# Altium PCB BCS1_REV2.2.PcbDoc (part 1 of 4) (continued)
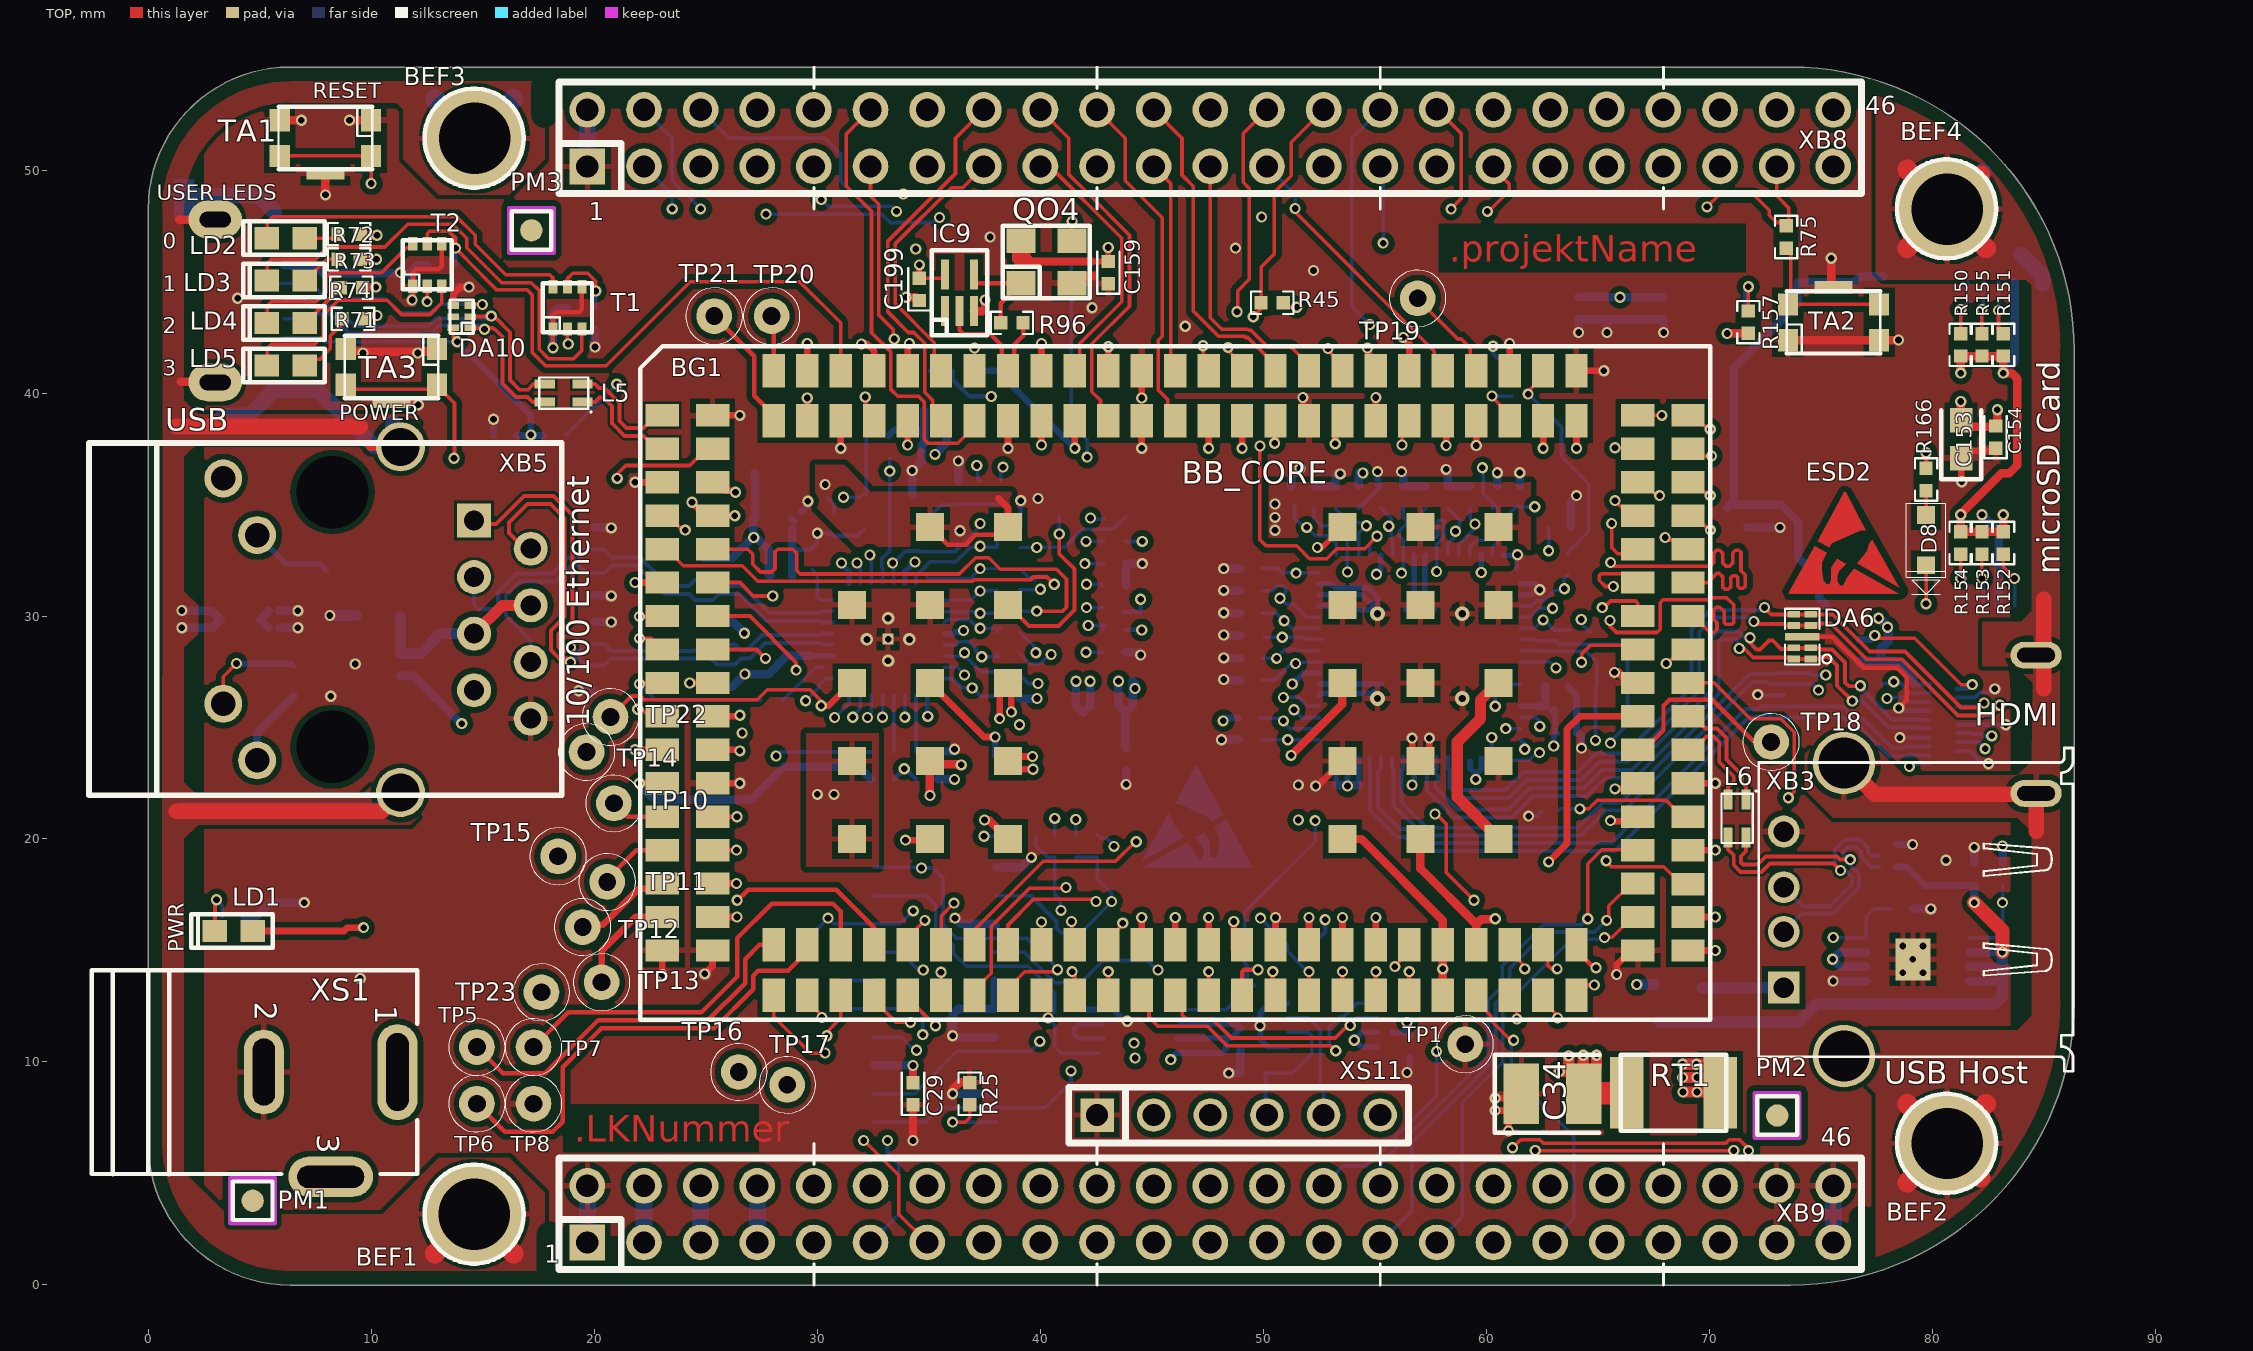
[diagram p0: TOP view]
## Components (designator, comment, footprint, x,y, rotation, side; value= is the part's Value field where it differs from the comment)
BEF1 "BEF_3.2_4.45" BEF_3.2_4.45#1 14.605,3.175 r0 top locked
BEF2 "BEF_3.2_4.45" BEF_3.2_4.45#2 80.645,6.35 r0 top locked
BEF3 "BEF_3.2_4.45" BEF_3.2_4.45#2 14.605,51.435 r0 top locked
BEF4 "BEF_3.2_4.45" BEF_3.2_4.45#2 80.645,48.26 r0 top locked
BG1 "BG_BCM" BG_BCM 46.05,27 r0 top locked
C27 "0.1uF/16V_02" CC1005-0402 49,11 r270 bottom
C29 "0.1uF/16V_02" CC1005-0402 34.29,8.572 r90 top
C30 "0.1uF/16V_02" CC1005-0402 29.55,15.125 r90 bottom
C34 "100uF/6.3V_1210" CC3225-1210 62.975,8.575 r0 top
C35 "0.1uF/16V_02" CC1005-0402 81.887,18.415 r90 bottom
C36 "0.1uF/16V_02" CC1005-0402 15.975,38.1 r180 bottom
C131 "0.1uF/16V_02" CC1005-0402 28.325,32.859 r180 bottom
C132 "0.1uF/16V_02" CC1005-0402 28.325,31.809 r180 bottom
C133 "10uF/6V3_03" CC1608-0603 28.15,34.375 r180 bottom
C134 "1uF/10V_02" CC1005-0402 35.3,38.225 r0 bottom
C135 "0.1uF/16V_02" CC1005-0402 30.747,34.092 r270 bottom
C136 "470pF_02" CC1005-0402 35.3,39.225 r0 bottom
C137 "15pF/50V_02" CC1005-0402 20.025,33.475 r270 bottom
C138 "15pF/50V_02" CC1005-0402 20.025,31.425 r90 bottom
C139 "15pF/50V_02" CC1005-0402 20.025,29.25 r270 bottom
C140 "15pF/50V_02" CC1005-0402 20.025,27.275 r90 bottom
C141 "22nF" CC2012-0805 10.265,30.03 r0 bottom
C142 "30pF/50V_02" CC1005-0402 32.7,38.1 r0 bottom
C143 "30pF/50V_02" CC1005-0402 36.319,35.558 r90 bottom
C144 "2.2uF/6V3_02" CC1005-0402 54.285,35.331 r90 bottom
C145 "0.1uF/16V_02" CC1005-0402 43.85,23.575 r270 bottom
C146 "2.2uF/6V3_02" CC1005-0402 64.135,43.815 r90 bottom
C147 "0.1uF/16V_02" CC1005-0402 63.425,25.75 r0 bottom
C148 "2.2uF/6V3_02" CC1005-0402 65.405,43.815 r90 bottom
C149 "0.1uF/16V_02" CC1005-0402 67.945,43.815 r270 bottom
C150 "0.1uF/16V_02" CC1005-0402 63.15,26.85 r0 bottom
C151 "2.2uF/6V3_02" CC1005-0402 63.675,24.75 r0 bottom
C153 "10uF/6V3_03" CC1608-0603 81.3,37.925 r90 top
C154 "0.1uF/16V_02" CC1005-0402 82.85,38.025 r90 top
C155 "0.1uF/16V_02" CC1005-0402 56.575,10.7 r270 bottom
C156 "47pF/16V_02" CC1005-0402 49.46,32.131 r180 bottom
C157 "47pF/16V_02" CC1005-0402 51.26,35.331 r90 bottom
C159 "0.1uF/16V_02" CC1005-0402 43.05,45.4 r90 top
C160 "47pF/16V_02" CC1005-0402 52.26,35.331 r90 bottom
C161 "47pF/16V_02" CC1005-0402 53.26,35.331 r90 bottom
C162 "47pF/16V_02" CC1005-0402 55.285,35.331 r90 bottom
C163 "47pF/16V_02" CC1005-0402 56.285,35.331 r90 bottom
C164 "47pF/16V_02" CC1005-0402 49.46,27.131 r180 bottom
C165 "47pF/16V_02" CC1005-0402 49.46,28.106 r180 bottom
C166 "47pF/16V_02" CC1005-0402 49.46,29.131 r180 bottom
C167 "47pF/16V_02" CC1005-0402 49.46,30.131 r180 bottom
C168 "47pF/16V_02" CC1005-0402 49.46,31.131 r180 bottom
C169 "47pF/16V_02" CC1005-0402 57.285,35.331 r90 bottom
C170 "47pF/16V_02" CC1005-0402 58.285,35.331 r90 bottom
C171 "47pF/16V_02" CC1005-0402 60.51,35.331 r90 bottom
C172 "47pF/16V_02" CC1005-0402 59.285,35.331 r90 bottom
C173 "47pF/16V_02" CC1005-0402 61.51,35.331 r90 bottom
C199 "0.1uF/16V_02" CC1005-0402 34.575,44.65 r90 top
C200 "2.2uF/6V3_02" CC1005-0402 37.975,23.225 r90 bottom
C201 "2.2uF/6V3_02" CC1005-0402 40.85,34.925 r270 bottom
D8 "RB751V40" SOD323 79.725,33.4 r270 top
DA6 "TPD4EUSB30_NP" TPD4EUSB30 74.175,29.075 r90 top
DA7 "TPD4EUSB30_NP" TPD4EUSB30 73.5,26.45 r90 bottom
DA9 "TPD4S012" SON6 78,19.25 r90 bottom
DA10 "TPD4S012" SON6 14.05,43.425 r90 top
ESD1 "ESD" ESD_G 49.475,18.75 r180 bottom
ESD2 "ESD" ESD_G 73.6,31.025 r0 top
IC6 "74LVC1G74DP" "TSSOP8 - 3x3" 44.65,11.375 r90 bottom
IC8 "TPS2051B" DGN-MSOP8+1 79.136,14.605 r90 bottom locked
IC9 "74LVC1G06DCK" SOT353 36.375,44.5 r0 top
IC11 "TDA19988" HVQFN64+EP_N 57.025,28.2 r270 bottom locked
IC14 "LAN8710A" QFN32+EP 33.174,28.965 r270 bottom
IC15 "74LVC2G241DP" "TSSOP8 - 3x3" 53.105,11.656 r90 bottom
L3 "150L" CR2012-0805 42.87,25.675 r180 bottom
L4 "150L" CR2012-0805 28.2,36.7 r0 bottom
L5 "WE-CNS-W" "WE-CNS_W - 0805" 18.625,40 r180 top
L6 "WE-CNS-W" "WE-CNS_W - 0805" 71.25,20.925 r270 top
L7 "150L" CR2012-0805 69.775,12.525 r90 bottom
L8 "150L" CR2012-0805 67.8,12.5 r270 bottom
LD1 "LEDgn_b_03" CD1608-0603 3.822,15.878 r0 top
LD2 "LEDgn_b_03" CD1608-0603 6.15,46.95 r0 top
LD3 "LEDgn_b_03" CD1608-0603 6.15,45.046 r0 top
LD4 "LEDgn_b_03" CD1608-0603 6.15,43.141 r0 top
LD5 "LEDgn_b_03" CD1608-0603 6.15,41.236 r0 top
PM1 "PMR" PASSER_RUND 4.675,3.775 r0 top
PM2 "PMR" PASSER_RUND 73.05,7.6 r0 top
PM3 "PMR" PASSER_RUND 17.175,47.3 r0 top
PM4 "PMR" PASSER_RUND 17.175,47.3 r180 bottom
PM5 "PMR" PASSER_RUND 73.05,7.6 r180 bottom
PM6 "PMR" PASSER_RUND 4.675,3.775 r180 bottom
Q3 "25.0006MHz_CM3225" "QUARZ CM3225" 33.243,34.665 r180 bottom
QO4 "24.576MHz-V96" "QUARZ KXO-V96" 40.275,45.875 r0 top
R12 "820R_02" CR1005-0402 3.81,16.51 r0 bottom
R19 "0R_02" CR1005-0402 41.593,19.685 r270 bottom
R20 "0R_02" CR1005-0402 42.545,19.685 r90 bottom
R21 "33R_02" CR1005-0402 49.1,13.425 r0 bottom
R23 "4k75_02" CR1005-0402 53.075,15.625 r0 bottom
R24 "4k75_02" CR1005-0402 51.2,15.625 r180 bottom
R25 "4k75_02" CR1005-0402 36.83,8.572 r90 top
R45 "22R_02" CR1005-0402 50.4,44.05 r180 top
R46 "0R_02" CR1005-0402 61.05,40.525 r90 bottom
R47 "0R_02" CR1005-0402 64.15,29.275 r180 bottom
R48 "0R_02" CR1005-0402 63.65,32.35 r270 bottom
R49 "0R_02" CR1005-0402 62.975,21.225 r0 bottom
R50 "0R_02" CR1005-0402 39.116,20.193 r180 bottom
R51 "0R_02" CR1005-0402 40.64,19.685 r90 bottom
R52 "10k_02" CR1005-0402 83.157,18.415 r90 bottom
R53 "10k_02" CR1005-0402 78.665,16.868 r180 bottom
R71 "820R_02" CR1005-0402 9.175,43.325 r180 top
R72 "820R_02" CR1005-0402 9,47.125 r180 top
R73 "820R_02" CR1005-0402 9,46 r180 top
R74 "820R_02" CR1005-0402 9.1,44.725 r180 top
R75 "100R_02" CR1005-0402 73.45,47 r270 top
R76 "100k_02" CR1005-0402 18.793,43.305 r270 bottom
R77 "100k_02" CR1005-0402 20.025,43.325 r90 bottom
R78 "100k_02" CR1005-0402 12.5,45.23 r270 bottom
R79 "100k_02" CR1005-0402 13.77,45.23 r90 bottom
R96 "0R_02" CR1005-0402 38.725,43.15 r180 top
R112 "1k5_02" CR1005-0402 43.3,29.375 r0 bottom
R113 "1k5_02" CR1005-0402 34.925,22.675 r180 bottom
R114 "1k5_02" CR1005-0402 43.3,30.375 r0 bottom
R115 "10k_02" CR1005-0402 43.325,28.375 r0 bottom
R116 "10k_02" CR1005-0402 43.35,32.35 r0 bottom
R117 "10k_02" CR1005-0402 43.325,31.35 r0 bottom
R118 "10k_02" CR1005-0402 38.573,34.03 r0 bottom
R119 "1k5_02" CR1005-0402 38.573,26.41 r0 bottom
R120 "49R9_02" CR1005-0402 24.9,32.125 r270 bottom
R121 "49R9_02" CR1005-0402 24.9,30.225 r90 bottom
R122 "49R9_02" CR1005-0402 25.9,29.225 r270 bottom
R123 "49R9_02" CR1005-0402 25.9,27.325 r90 bottom
R124 "10R_02" CR1005-0402 38.573,33.077 r180 bottom
R125 "100R_02" CR1005-0402 38.573,32.125 r180 bottom
R126 "100R_02" CR1005-0402 38.573,31.172 r180 bottom
R127 "100R_02" CR1005-0402 38.573,30.22 r180 bottom
R128 "100R_02" CR1005-0402 38.573,29.267 r180 bottom
R129 "100R_02" CR1005-0402 27.95,26.225 r0 bottom
R130 "1k2_03_1%" CR1608-0603 7.425,27.7 r0 bottom
R131 "100R_02" CR1005-0402 43.35,33.35 r180 bottom
R132 "1k2_03_1%" CR1608-0603 8.825,32.075 r0 bottom
R133 "100R_02" CR1005-0402 38.573,28.315 r180 bottom
R134 "100R_02" CR1005-0402 32.925,23.911 r0 bottom
R135 "10k_02" CR1005-0402 7.025,26.4 r0 bottom
R136 "0.1R" CR3216-1206 4.2,29.85 r180 bottom
R137 "0R_02" CR1005-0402 11.3,27.825 r270 bottom
R138 "100R_02" CR1005-0402 32.925,22.675 r0 bottom
R139 "100R_02" CR1005-0402 38.573,27.362 r180 bottom
R140 "0R_02" CR1005-0402 43.35,34.475 r180 bottom
R141 "1M_02" CR1005-0402 38.224,35.558 r90 bottom
R142 "0R_02" CR1005-0402 37.271,35.558 r270 bottom
R143 "10R_02" CR1005-0402 32.75,37.075 r180 bottom
R144 "12k1_02" CR1005-0402 29.775,32.575 r90 bottom
R145 "10k_02" CR1005-0402 34.926,23.924 r180 bottom
R146 "10k_02" CR1005-0402 77.7,27.525 r90 bottom
R147 "10k_02" CR1005-0402 76.7,28.45 r90 bottom
R148 "10k_02" CR1005-0402 63.3,33.975 r0 bottom
R149 "0R_02" CR1005-0402 49.375,24.475 r180 bottom
R150 "10k_02" CR1005-0402 81.28,42.164 r90 top
R151 "10k_02" CR1005-0402 83.185,42.164 r90 top
R152 "10k_02" CR1005-0402 83.185,33.274 r270 top
R153 "10k_02" CR1005-0402 82.233,33.274 r270 top
R154 "10k_02" CR1005-0402 81.28,33.274 r270 top
R155 "10k_02" CR1005-0402 82.233,42.164 r90 top
R157 "10k_02" CR1005-0402 71.755,43.18 r90 top
R158 "10k_02" CR1005-0402 49.375,25.425 r0 bottom
R159 "0R_02" CR1005-0402 18.225,38.125 r0 bottom
R160 "0R_02" CR1005-0402 34.55,41 r0 bottom
R161 "0R_02" CR1005-0402 36.575,41 r180 bottom
R163 "0.02R_05" CR2012-0805 4.125,29.85 r180 bottom
R165 "100k_02" CR1005-0402 49.6,9.5 r0 bottom
R166 "26k7_02" CR1005-0402 79.725,36.125 r90 top
R167 "33R_02" CR1005-0402 41.383,46.335 r270 bottom
RT1 "MF-MSMF010" FUSE-MF-MSMF 68.4,8.625 r0 top
T1 "DDC114YU" SOT363 18.793,43.823 r0 top
T2 "DDC114YU" SOT363 12.5,45.748 r0 top
TA1 "TA_C&K_KMR231" TA_KMR2 7.937,51.435 r180 top
TA2 "TA_C&K_KMR231" TA_KMR2 75.575,43.175 r0 top
TA3 "TA_C&K_KMR231" TA_KMR2 10.9,41.175 r180 top
TP1 "TP THT" "TP mit 0.8mm Bohrung" 59.055,10.795 r0 top
TP5 "TP THT" "TP mit 0.8mm Bohrung" 14.732,10.668 r0 top
TP6 "TP THT" "TP mit 0.8mm Bohrung" 14.732,8.128 r0 top
TP7 "TP THT" "TP mit 0.8mm Bohrung" 17.272,10.668 r0 top
TP8 "TP THT" "TP mit 0.8mm Bohrung" 17.272,8.128 r0 top
TP10 "TP THT" "TP mit 0.8mm Bohrung" 20.875,21.6 r0 top
TP11 "TP THT" "TP mit 0.8mm Bohrung" 20.575,18.075 r90 top
TP12 "TP THT" "TP mit 0.8mm Bohrung" 19.475,16.05 r90 top
TP13 "TP THT" "TP mit 0.8mm Bohrung" 20.325,13.575 r90 top
TP14 "TP THT" "TP mit 0.8mm Bohrung" 19.65,23.9 r0 top
TP15 "TP THT" "TP mit 0.8mm Bohrung" 18.375,19.225 r0 top
TP16 "TP THT" "TP mit 0.8mm Bohrung" 26.475,9.55 r0 top
TP17 "TP THT" "TP mit 0.8mm Bohrung" 28.65,8.975 r0 top
TP18 "TP THT" "TP mit 0.8mm Bohrung" 72.775,24.35 r0 top
TP19 "TP THT" "TP mit 0.8mm Bohrung" 56.925,44.25 r0 top
TP20 "TP THT" "TP mit 0.8mm Bohrung" 27.95,43.45 r0 top
TP21 "TP THT" "TP mit 0.8mm Bohrung" 25.375,43.45 r0 top
TP22 "TP THT" "TP mit 0.8mm Bohrung" 20.725,25.475 r0 top
TP23 "TP THT" "TP mit 0.8mm Bohrung" 17.625,13.125 r0 top
XB3 "USB_R_WE" 61400416021 74.693,16.835 r90 top locked
XB4 "MINI-USB_B" USB-MINI-B 3.846,44.133 r270 bottom locked
XB5 "J00-0065NL;RJ45+Ü+L" RJ45+Ü+L 14.605,34.29 r270 top locked
XB6 "Micro-HDMI_Buchse_Type D" "Micro_HDMI_FCI_SMT_Type D" 84.66,25.146 r270 bottom locked
XB8 "B2X23_THT" BU2X23 19.685,50.165 r0 top locked
XB9 "B2X23_THT" BU2X23 19.685,1.905 r0 top locked
XB10 "MICRO SD_ALPS_R" "Micro-SD-Card-Conn-ALPS- Reverse Mount" 81.595,44.976 r270 bottom locked
XS1 "ST1x2_PJ" ST1X2THT-2MM-DC_WA 5.174,9.548 r270 top locked
XS2 "ST2x10_1.27MM_SMD" ST2X10SMD-1.27_SAMTEC 35.287,13.018 r90 bottom locked
XS11 "ST1x6" ST6 42.545,7.62 r0 top locked

## Footprints (in the part's own frame and the unit in brackets; to place one, negate y for a bottom-side part, rotate by r counter-clockwise, add the part's x,y. Pads: shape width x height; smd on the part's side, far side on the other; paste and mask are expansions set on the pad)
61400416021 [mm] "4 pins"
  rect 1.428x1.428 hole 0.92: 1(-3.5,1.35)
  round 1.428 hole 0.92: 2(-1,1.35) 3(1,1.35) 4(3.5,1.35)
  round 2.8 hole 2.3: 10(-6.57,-1.35) 11(6.57,-1.35)
  silkscreen extent -7.25,-11.63 7.25,2.47, body extent -7.9,-11.63 7.9,2.47, height 7.71
BEF_3.2_4.45#1 [mm] "Befestigungsbohrung D=4.2mm mit Pad D=10mm"
  round 4.45 hole 3.2 mask+0.051: 1(0,0)
  silkscreen extent -2.22,-2.22 2.22,2.22
BEF_3.2_4.45#2 [mm] "Befestigungsbohrung D=4.2mm mit Pad D=10mm"
  round 4.45 hole 3.2 mask+0.051: 1(0.028,-0.01)
  silkscreen extent -2.22,-2.22 2.22,2.22
BG_BCM [mm] "BeagleCoreModule"
  rect 1.5x1 smd: 1(-23,12) 2(-23,10.5) 3(-23,9) 4(-23,7.5) 5(-23,6) 6(-23,4.5) 7(-23,3) 8(-23,1.5) 9(-23,0) 10(-23,-1.5) 11(-23,-3) 12(-23,-4.5) 13(-23,-6) 14(-23,-7.5) 15(-23,-9) 16(-23,-10.5) 17(-23,-12) 18(-20.75,12) 19(-20.75,10.5) 20(-20.75,9) 21(-20.75,7.5) 22(-20.75,6) 23(-20.75,4.5) 24(-20.75,3) 25(-20.75,1.5) 26(-20.75,0) 27(-20.75,-1.5) 28(-20.75,-3) 29(-20.75,-4.5) 30(-20.75,-6) 31(-20.75,-7.5) 32(-20.75,-9) 33(-20.75,-10.5) 34(-20.75,-12) 85(23,-12) 86(23,-10.5) 87(23,-9.025) 88(23,-7.5) 89(23,-6) 90(23,-4.5) 91(23,-3) 92(23,-1.5) 93(23,0) 94(23,1.5) 95(23,3) 96(23,4.5) 97(23,6) 98(23,7.5) 99(23,9) 100(23,10.5) 101(23,12) 102(20.75,-12) 103(20.75,-10.5) 104(20.75,-9) 105(20.75,-7.5) 106(20.75,-6) 107(20.75,-4.5) 108(20.75,-3) 109(20.75,-1.5) 110(20.75,0) 111(20.75,1.5) 112(20.75,3) 113(20.75,4.5) 114(20.75,6) 115(20.75,7.5) 116(20.75,9) 117(20.75,10.5) 118(20.75,12)
  rect 1x1.5 smd: 35(-18,-14) 36(-16.5,-14) 37(-15,-14) 38(-13.5,-14) 39(-12,-14) 40(-10.5,-14) 41(-9,-14) 42(-7.5,-14) 43(-6,-14) 44(-4.5,-14) 45(-3,-14) 46(-1.5,-14) 47(0,-14) 48(1.5,-14) 49(3,-14) 50(4.5,-14) 51(6,-14) 52(7.5,-14) 53(9,-14) 54(10.5,-14) 55(12,-14) 56(13.5,-14) 57(15,-14) 58(16.5,-14) 59(18,-14) 60(-18,-11.75) 61(-16.5,-11.75) 62(-15,-11.75) 63(-13.5,-11.75) 64(-12,-11.75) 65(-10.5,-11.75) 66(-9,-11.75) 67(-7.5,-11.75) 68(-6,-11.75) 69(-4.5,-11.75) 70(-3,-11.75) 71(-1.5,-11.75) 72(0,-11.75) 73(1.5,-11.75) 74(3,-11.75) 75(4.5,-11.75) 76(6,-11.75) 77(7.5,-11.75) 78(9,-11.75) 79(10.5,-11.75) 80(12,-11.75) 81(13.5,-11.75) 82(15,-11.75) 83(16.5,-11.75) 84(18,-11.75) 119(18,14) 120(16.5,14) 121(15,14) 122(13.5,14) 123(12,14) 124(10.5,14) 125(9,14) 126(7.5,14) 127(6,14) 128(4.5,14) 129(3,14) 130(1.5,14) 131(0,14) 132(-1.5,14) 133(-3,14) 134(-4.5,14) 135(-6,14) 136(-7.5,14) 137(-9,14) 138(-10.5,14) 139(-12,14) 140(-13.5,14) 141(-15,14) 142(-16.5,14) 143(-18,14) 144(18,11.75) 145(16.5,11.75) 146(15,11.75) 147(13.5,11.75) 148(12,11.75) 149(10.5,11.75) 150(9,11.75) 151(7.5,11.75) 152(6,11.75) 153(4.5,11.75) 154(3,11.75) 155(1.5,11.75) 156(0,11.75) 157(-1.5,11.75) 158(-3,11.75) 159(-4.5,11.75) 160(-6,11.75) 161(-7.5,11.75) 162(-9,11.75) 163(-10.5,11.75) 164(-12,11.75) 165(-13.5,11.75) 166(-15,11.75) 167(-16.5,11.75) 168(-18,11.75)
  rect 1.25x1.25 smd: A2(-14.5,3.5) A3(-14.5,0) A4(-14.5,-3.5) A5(-14.5,-7) B1(-11,7) B2(-11,3.5) B3(-11,0) B4(-11,-3.5) B5(-11,-7) C1(-7.5,7) C2(-7.5,3.5) C3(-7.5,0) C4(-7.5,-3.5) C5(-7.5,-7) G1(7.5,7) G2(7.5,3.5) G3(7.5,0) G4(7.5,-3.5) G5(7.5,-7) H1(11,7) H2(11,3.5) H3(11,0) H4(11,-3.5) H5(11,-7) I1(14.5,7) I2(14.5,3.5) I3(14.5,0) I4(14.5,-3.5) I5(14.5,-7)
  silkscreen extent -24,-15.11 24,15.11, body extent -24,-15.1 24,15.1, height 1.6
BU2X23 [mm] "Buchsenleiste 46pol. 2.54mm pitch, 1mm Bohrung"
  rect 1.6x1.6 hole 1: 1(0,0)
  round 1.6 hole 1: 2(0,2.54) 3(2.54,0) 4(2.54,2.54) 5(5.08,0) 6(5.08,2.54) 7(7.62,0) 8(7.62,2.54) 9(10.16,0) 10(10.16,2.54) 11(12.7,0) 12(12.7,2.54) 13(15.24,0) 14(15.24,2.54) 15(17.78,0) 16(17.78,2.54) 17(20.32,0) 18(20.32,2.54) 19(22.86,0) 20(22.86,2.54) 21(25.4,0) 22(25.4,2.54) 23(27.94,0) 24(27.94,2.54) 25(30.48,0) 26(30.48,2.54) 27(33.02,0) 28(33.02,2.54) 29(35.56,0) 30(35.56,2.54) 31(38.1,0) 32(38.1,2.565) 33(40.64,0) 34(40.64,2.54) 35(43.18,0) 36(43.18,2.54) 37(45.72,0) 38(45.72,2.565) 39(48.26,0) 40(48.26,2.54) 41(50.8,0) 42(50.8,2.54) 43(53.34,0) 44(53.34,2.54) 45(55.88,0) 46(55.88,2.54)
  silkscreen extent -1.27,-1.22 57.15,3.78, body extent -1.55,-1.21 54.83,3.87, height 8.5
CC1005-0402 [mm] "Chip Capacitor, Body 1.0x0.5mm, IPC High Density"
  rect 0.6x0.6 smd: 1(-0.5,0) 2(0.5,0)
  silkscreen extent -0.95,-0.5 0.95,0.5, body extent -0.55,-0.3 0.55,0.3, height 0.6
CC1608-0603 [mm]
  rect 1.1x1 smd: 1(-0.85,0) 2(0.85,0)
  silkscreen extent -1.8,-0.9 1.3,0.9, body extent -0.81,-0.42 0.81,0.4, height 0.46
CC2012-0805 [mm]
  rect 1.3x1.5 smd: 1(-0.95,0) 2(0.95,0)
  silkscreen extent -2,-1.15 1.5,1.15, body extent -1.01,-0.64 1.01,0.63, height 0.61
CC3225-1210 [mm]
  rect 1.6x2.7 smd: 1(-1.4,0) 2(1.4,0)
  silkscreen extent -2.6,-1.75 2.1,1.75, body extent -1.61,-1.27 1.61,1.25, height 0.61
CD1608-0603 [mm] "LED 0603"
  rect 1.1x1 smd: 1(-0.85,0) 2(0.85,0)
  silkscreen extent -1.9,-0.75 1.75,0.75, body extent -1,-0.4 1,0.4, height 0.7
CR1005-0402 [mm]
  rect 0.6x0.6 smd: 1(-0.5,0) 2(0.5,0)
  silkscreen extent -0.95,-0.5 0.95,0.5, body extent -0.51,-0.26 0.51,0.26, height 0.36
CR1608-0603 [mm]
  rect 1.1x1 smd: 1(-0.85,0) 2(0.85,0)
  silkscreen extent -1.62,-0.85 1.58,0.85, body extent -0.81,-0.39 0.81,0.43, height 0.46
CR2012-0805 [mm]
  rect 1.3x1.5 smd: 1(-0.95,0) 2(0.95,0)
  silkscreen extent -1.8,-0.98 1.78,1, body extent -1.01,-0.64 1.01,0.63, height 0.61
CR3216-1206 [mm]
  rect 1.6x1.8 smd: 1(-1.4,0) 2(1.4,0)
  silkscreen extent -2.6,-1.3 2.6,1.3, body extent -1.61,-0.8 1.61,0.82, height 0.61
DGN-MSOP8+1 [mm] "8lead Plastic MSOP 3.1mmx3.1mm; 0,65mm pitch"
  rect 0.4x1.6 smd: 1(-0.975,-2.1)
  oval 0.4x1.6 smd: 2(-0.325,-2.1) 3(0.325,-2.1) 4(0.975,-2.1) 5(0.975,2.1) 6(0.325,2.1) 7(-0.325,2.1) 8(-0.975,2.1)
  round 0.5 hole 0.3: 9(-0.6,-0.45) 9(-0.6,0.45) 9(0.6,-0.45) 9(0.6,0.45)
  rect 1.88x1.57 hole 0.3: 9(0,0)
  silkscreen extent -1.5,-1.5 1.5,1.5, body extent -1.5,-1.5 1.5,1.5, height 0.8
ESD_G [mm] "ESD Symbol groß 4.5mm"
  TOP pour cut-out: -0.175,-0.275 5.025,-0.275 5.175,-0.2 5.275,-0.075 5.3,0 5.325,0.075 5.3,0.225 2.75,4.7 2.5,4.825 2.25,4.7 -0.325,0.1
  TOP region: 1.448,1.067 1.499,0.61 1.575,0.483 1.651,0.432 1.702,0.406 1.753,0.406 1.803,0.432 1.829,0.457 1.88,0.584 1.88,1.143 2.134,1.549 2.438,1.372 2.54,1.321 2.21,0.991 2.159,0.838 2.134,0.711 2.134,0.559 2.159,0.483 2.261,0.356 2.362,0.33 2.413,0.356 2.565,0.66 2.692,0.838 2.896,1.092 4.902,-0.025 0,-0.025 -0.025,0 -0.025,0.025 1.143,2.108 1.676,1.803 1.448,1.372
  TOP region: 3.708,2.388 3.581,2.21 3.48,1.905 3.277,1.626 3.048,1.346 4.039,0.762 4.928,0.254 3.785,2.261
  TOP region: 3.425,2.825 3.15,2.794 1.905,2.235 1.778,2.057 1.27,2.337 2.184,4.039 2.438,4.521 2.464,4.547 2.489,4.547 2.515,4.521 2.921,3.759 2.972,3.658
FUSE-MF-MSMF [mm] "Fuse resettable (PTC) 4.73x3.41mm- Style1"
  rect 1.5x3.2 smd: 1(-2.1,0) 2(2.1,0)
  silkscreen extent -2.36,-1.71 2.36,1.71, body extent -2.36,-1.71 2.36,1.71, height 0.62
HVQFN64+EP_N [mm] "QFN, 64-Leads, Body 9x9mm, Pitch 0.5mm, with E-Pad, IPC Medium Density"
  rect 0.85x0.29 smd: 1(-4.525,3.75)
  rrect50% 0.85x0.29 smd: 2(-4.525,3.25) 3(-4.525,2.75) 4(-4.525,2.25) 5(-4.525,1.75) 6(-4.525,1.25) 7(-4.525,0.75) 8(-4.525,0.25) 9(-4.525,-0.25) 10(-4.525,-0.75) 11(-4.525,-1.25) 12(-4.525,-1.75) 13(-4.525,-2.25) 14(-4.525,-2.75) 15(-4.525,-3.25) 16(-4.525,-3.75) 33(4.525,-3.75) 34(4.525,-3.25) 35(4.525,-2.75) 36(4.525,-2.25) 37(4.525,-1.75) 38(4.525,-1.25) 39(4.525,-0.75) 40(4.525,-0.25) 41(4.525,0.25) 42(4.525,0.75) 43(4.525,1.25) 44(4.525,1.75) 45(4.525,2.25) 46(4.525,2.75) 47(4.525,3.25) 48(4.525,3.75)
  rrect50% 0.29x0.85 smd: 17(-3.75,-4.525) 18(-3.25,-4.525) 19(-2.75,-4.525) 20(-2.25,-4.525) 21(-1.75,-4.525) 22(-1.25,-4.525) 23(-0.75,-4.525) 24(-0.25,-4.525) 25(0.25,-4.525) 26(0.75,-4.525) 27(1.25,-4.525) 28(1.75,-4.525) 29(2.25,-4.525) 30(2.75,-4.525) 31(3.25,-4.525) 32(3.75,-4.525) 49(3.75,4.525) 50(3.25,4.525) 51(2.75,4.525) 52(2.25,4.525) 53(1.75,4.525) 54(1.25,4.525) 55(0.75,4.525) 56(0.25,4.525) 57(-0.25,4.525) 58(-0.75,4.525) 59(-1.25,4.525) 60(-1.75,4.525) 61(-2.25,4.525) 63(-3.25,4.525) 64(-3.75,4.525)
  oval 0.29x0.85 smd: 62(-2.75,4.525)
  rect 4.7x4.7 smd paste-2: 65(0,0)
  silkscreen extent -5.47,-4.6 4.6,4.6, body extent -4.57,-4.57 4.57,4.57, height 1
"Micro-SD-Card-Conn-ALPS- Reverse Mount" [mil] "Micro SD-Card-Connector, Alps SCHA Series, Reverse Mount"
  rect 36x18 smd mask+2: 1(0,0) 2(0,-27.56) 3(0,-55.12) 4(0,-82.68) 5(571.44,-82.68) 6(571.44,-55.12) 7(571.44,-27.56) 8(571.44,0)
  rect 20x35 smd mask+2: 9(434.34,393.28) 10(50.48,393.28)
  rect 35x79 smd mask+2: 11(0.29,300.59) 12(571.15,249.41)
  rect 44x60 smd mask+2: 13(2.4,-132.48) 14(569.04,-132.48)
  rect 47x43 smd mask+2: 15(150.88,412.91) 16(387.09,412.91)
  silkscreen extent -2,-415 573,418, body extent -10,-186 581,424, height 59
"Micro_HDMI_FCI_SMT_Type D" [mm] "Maße: 8.9mm x 7.5mm"
  rect 0.23x0.85 smd: 1(1.8,4.775) 3(1.4,4.775) 5(1,4.775) 7(0.6,4.775) 9(0.2,4.775) 11(-0.2,4.775) 13(-0.6,4.775) 15(-1,4.775) 17(-1.4,4.775) 19(-1.8,4.775)
  rect 0.23x1 smd: 2(1.6,3.55) 4(1.2,3.55) 6(0.8,3.55) 8(0.4,3.55) 10(0,3.55) 12(-0.4,3.55) 14(-0.8,3.55) 16(-1.2,3.55) 18(-1.6,3.55)
  rect 2.4x1.38 smd: 20(-3.45,3.37) 21(3.45,3.37)
  oval 1.2x2.3 hole 0.65 slot 1.7 at 90 deg: 22(-3.1,0) 23(3.1,0)
  silkscreen extent -4.45,-2.4 4.45,5.5, body extent -4.48,-2.38 4.42,5.12, height 3.06
PASSER_RUND [mm] "Passermarke für SMD-Bestückung rund D=1mm"
  round 1 smd: 1(0,0)
  TOP keep-out lines w0.2: -1,-1 1,-1 1,1 -1,1 -1,-1
  silkscreen extent -0.89,-0.86 0.89,0.86
QFN32+EP [mm] "32-Pin QFN 0.5 mm Pitch"
  oval 0.8x0.25 smd: 1(-2.5,1.75) 2(-2.5,1.25) 3(-2.5,0.75) 4(-2.5,0.25) 5(-2.5,-0.25) 6(-2.5,-0.75) 7(-2.5,-1.25) 8(-2.5,-1.75) 17(2.5,-1.75) 18(2.5,-1.25) 19(2.5,-0.75) 20(2.5,-0.25) 21(2.5,0.25) 22(2.5,0.75) 23(2.5,1.25) 24(2.5,1.75)
  oval 0.25x0.8 smd: 9(-1.75,-2.5) 10(-1.25,-2.5) 11(-0.75,-2.5) 12(-0.25,-2.5) 13(0.25,-2.5) 14(0.75,-2.5) 15(1.25,-2.5) 16(1.75,-2.5) 25(1.75,2.5) 26(1.25,2.5) 27(0.75,2.5) 28(0.25,2.5) 29(-0.25,2.5) 30(-0.75,2.5) 31(-1.25,2.5) 32(-1.75,2.5)
  rect 3.3x3.3 / inner rect 0.5x0.5 / far side rect 0.5x0.5 hole 0.3: 33(0,0)
  silkscreen extent -3.57,-2.6 2.6,2.6, body extent -2.58,-2.58 2.58,2.58, height 0.8
"QUARZ CM3225" [mm] "Quarz Bauform CM3225; Gehäuse3.2x2.5mm"
  rect 1.3x1.1 smd: 1(-1.15,-0.75) 2(1.15,-0.75) 3(1.15,0.75) 4(-1.15,0.75)
  TOP pour cut-out: -0.4,1.4 0.4,1.4 0.4,-1.4 -0.4,-1.4
  silkscreen extent -1.65,-1.43 1.65,1.42, body extent -1.6,-1.4 1.6,1.4, height 0.61
"QUARZ KXO-V96" [mm] "Quarz Bauform KXO-V96; Gehäuse3.2x2.5mm"
  rect 1.3x1.1 smd: 1(-1.15,-0.95) 2(1.15,-0.95) 3(1.15,0.95) 4(-1.15,0.95)
  TOP region: -0.725,0.425 -0.725,0.3 -0.625,0.2 2.1,0.2 2.1,-0.15 -1.35,-0.15 -1.525,0.05 -1.525,0.425
  silkscreen extent -1.95,-1.63 1.95,1.63, body extent -1.6,-1.4 1.6,1.4, height 1.2
RJ45+Ü+L [mm] "RJ45 mit Übertrager und LED (Pulse),Gehäuse:15,8x22,2mm"
  rect 1.524x1.524 hole 0.9: 1(0,0)
  round 1.524 hole 0.9: 2(1.27,2.54) 3(2.54,0) 4(3.81,2.54) 5(5.08,0) 6(6.35,2.54) 7(7.62,0) 8(8.89,2.54)
  round 1.7 hole 1.1: 9(-1.88,-11.25) 10(0.66,-9.73) 11(8.225,-11.25) 12(10.765,-9.73)
  round 2.2 hole 1.7: 15(-3.3,-3.3) 16(12.205,-3.3)
  round 0 hole 3.25 unplated: 100(10.155,-6.35) 101(-1.27,-6.35)
  silkscreen extent -3.47,-17.27 12.33,3.93
SOD323 [mil] "SOD323"
  rect 31.5x31.5 smd mask+2: 1(44.29,0) 2(-44.29,0)
  silkscreen extent -65,-35 95,35
SON6 [mm] "SON6 6Leads; Body 1.5 x 1.05 mm (LxW max)"
  rect 0.3x0.52 smd: 1(-0.5,-0.377) 2(0,-0.377) 3(0.5,-0.377) 4(0.5,0.377) 5(0,0.377) 6(-0.5,0.377)
  silkscreen extent -0.75,-0.53 0.75,0.53, body extent -0.75,-0.53 0.75,0.53, height 0.6
SOT353 [mm] "SOT-353/SC-88A; 5 Leads; Body 2.2 x 2.2 (2.4)mm, inc. leads (LxW max)"
  rect 0.35x1.35 smd: 1(-0.65,-0.825) 2(0,-0.825) 3(0.65,-0.825) 4(0.65,0.825) 5(-0.65,0.825)
  silkscreen extent -1.25,-1.9 1.25,1.9
SOT363 [mm] "SOT-363; 6 Leads; Body 2.2 x 2.2 (2.4)mm, inc. leads (LxW max)"
  rect 0.42x0.6 smd: 1(-0.65,-0.95) 2(0,-0.95) 3(0.65,-0.95) 4(0.65,0.95) 5(0,0.95) 6(-0.65,0.95)
  silkscreen extent -1.1,-1.1 1.1,1.1, body extent -1.1,-1.1 1.1,1.1, height 1.1
ST1X2THT-2MM-DC_WA [mm] "DC-Power Jack mit 2mm Stift"
  oval 4.3x1.8 hole 1 slot 3.5 at 0 deg mask+0.051: 1(0,5.994)
  oval 3.8x1.8 hole 1 slot 3 at 0 deg mask+0.051: 2(0,0)
  oval 1.8x3.8 hole 1 slot 3 at 90 deg mask+0.051: 3(4.699,2.997)
  silkscreen extent -4.57,-7.72 4.57,6.88, body extent -4.57,-7.8 4.6,6.9, height 11
ST2X10SMD-1.27_SAMTEC [mm] "Stiftleiste SMT 1.27mm pitch 2x 10pol."
  rect 0.75x3 smd: 1(-5.715,-2.75)
  oval 0.75x3 smd: 2(-5.715,2.75) 3(-4.445,-2.75) 4(-4.445,2.75) 5(-3.175,-2.75) 6(-3.175,2.75) 7(-1.905,-2.75) 8(-1.905,2.75) 9(-0.635,-2.75) 10(-0.635,2.75) 11(0.635,-2.75) 12(0.635,2.75) 13(1.905,-2.75) 14(1.905,2.75) 15(3.175,-2.75) 16(3.175,2.75) 17(4.445,-2.75) 18(4.445,2.75) 19(5.715,-2.75) 20(5.715,2.75)
  silkscreen extent -6.32,-4.15 6.38,4.15, body extent -6.35,-3.76 6.35,3.76, height 7
ST6 [mm] "Stiftleiste 6pol. 2,54mm pitch"
  rect 1.5x1.5 hole 1: 1(0,0)
  round 1.5 hole 1: 2(2.54,0) 3(5.08,0) 4(7.62,0) 5(10.16,0) 6(12.7,0)
  silkscreen extent -1.27,-1.25 13.97,1.25, body extent -1.28,-1.3 13.98,1.22, height 10
TA_KMR2 [mm] "Taster C&K KMR2 Serie"
  rect 0.9x1 smd mask+0.051: 1(-2.05,-0.8) 2(-2.05,0.8) 3(2.05,0.8) 4(2.05,-0.8)
  rect 1.7x0.55 smd: 5(0,1.575)
  silkscreen extent -2.1,-1.4 2.1,1.4, body extent -2.3,-1.4 2.3,1.4, height 1.92
"TP mit 0.8mm Bohrung" [mm] "Testpunkt mit 0.8mm Bohrung"
  round 1.6 hole 0.8 mask+0.051: 1(0,0)
  silkscreen extent -1.27,-1.27 1.27,1.27
TPD4EUSB30 [mm] "10 Leads; Body Width 2.5x1"
  rect 0.3x0.55 smd mask+0.05: 1(-1,-0.385) 2(-0.5,-0.385) 4(0.5,-0.385) 5(1,-0.385) 6(1,0.385) 7(0.5,0.385) 9(-0.5,0.385) 10(-1,0.385)
  rect 0.35x0.8 smd mask+0.05: 3(0,-0.375) 8(0,0.375)
  silkscreen extent -1.25,-1.3 1.25,0.77, body extent -1.25,-0.77 1.25,0.77, height 0.5
"TSSOP8 - 3x3" [mm] "Shrink Small Outline, Plastic, Thin; 8 Leads; Body Width 3 mm; Pitch 0.65 mm"
  rect 0.3x1.65 smd: 1(-0.975,-2)
  oval 0.3x1.65 smd: 2(-0.325,-2) 3(0.325,-2) 4(0.975,-2) 5(0.975,2) 6(0.325,2) 7(-0.325,2) 8(-0.975,2)
  silkscreen extent -1.75,-2.05 1.5,1.5
USB-MINI-B [mm] "MINI USB TYP B, SMD 5 Leads LxB 9.1x6.7mm"
  rect 0.5x1.6 smd mask+0.051: 1(1.6,-2.25) 2(0.8,-2.25) 3(0,-2.25) 4(-0.8,-2.25) 5(-1.6,-2.25)
  rect 2.1x2.9 smd mask+0.051: 6(-4,-1.8) 7(4,-1.8)
  rect 1.3x1 smd mask+0.051: 8(-2.05,2.25) 9(2.05,2.25)
  oval 1.7x2.4 hole 0.7 slot 1.4 at 90 deg: MH1(-3.65,0.85) MH2(3.65,0.85)
  silkscreen extent -4.34,-2.64 4.34,4.2, body extent -4.55,-2.75 4.55,3.95, height 4.07
"WE-CNS_W - 0805" [mm] "SMD Inductor, 4-Leads, Body 1,4x2,2mm"
  rect 0.9x0.4 smd: 1(-0.85,0.4) 2(0.85,0.4) 3(0.85,-0.4) 4(-0.85,-0.4)
  silkscreen extent -1.25,-0.7 1.1,0.87, body extent -1,-0.6 1,0.6, height 1.18

## Part data
BEF1 BEF2 BEF3 BEF4: library part A_BEF_3.2_4.45, "Befestigungsbohrung D=3.2mm_4.45_Rand"
BG1: "Beaglecore"
C27 C29 C30 C35 C36 C131 C132 C135 C145 C147 C149 C150 C154 C155 C159 C199: library part C0.1uF/16V_02, "Capacitor 0402 16V Y5V"
C34: library part C100uF/6.3V_10, "Capacitor 1210; 6.3V"
C133 C153: library part C10uF/6V3_03, "Capacitor 0603 6V3; 10%, X5R"
C134: library part C1uF/10V_02, "Capacitor 0402 10V, X5R"
C136: library part C470pF_02, "Capacitor 0402; 50V X7R"
C137 C138 C139 C140: library part C15pF/50V_02, "Capacitor 0402; 50V"
C141: library part C22nF, "Capacitor 0805; 50V; 10%"
C142 C143: library part C30pF/16V_02, "Capacitor 0402 50V Y5V"
C144 C146 C148 C151 C200 C201: library part C2.2uF/6V3_02, "Capacitor 0402;  6V3;  X5R"
C156 C157 C160 C161 C162 C163 C164 C165 C166 C167 C168 C169 C170 C171 C172 C173: library part C47pF/16V_02, "Capacitor 0402;  16V;  X7R"
D8: library part DRB751V40, "DIODE SCHOTTKY 40V 120MA SOD323"
DA6 DA7: library part DATPD4EUSB30_NP, "Diode Array TVS,  for USB3.0; 4fach, N und P getauscht"
DA9 DA10: library part DATPD4S012, "Diode Array TVS,  for USB2.0 TypB; 4fach"
ESD1 ESD2: library part A_ESD, "ESD Symbol"
IC6: library part IC74LVC1G74DP, "Dual D-Type Positive-Edge-Triggered Flip-Flop with Set and Reset"
IC8: library part ICTPS2051B, "Current-Limited PowerSwitch"
IC9: library part IC74LVC1G06DCK, "Single Inverter Buffer/Driver With Open-Drain Output"
IC11: library part ICTDA19988, "DP to HDMI ESD, Level Shifter"
IC14: library part ICLAN8710A, "Small Footprint MII/RMII 10/100 Ethernet  Transceiver with HP Auto-MDIX and  flexPWR® Technology"
IC15: library part IC74LVC2G241DP, "dual buffer/line driver; 3-state, 5V-tolerant"
L3 L4 L7 L8: library part "L150 Ohm Ferrite", "Inductor 120 Ohm Ferrite 0805, 800mA"
L5 L6: library part "LWE-CNS FILTER", "Stromkomp. Datenleitungsfilter WE-CNS-W, 90 Ohm"
LD1 LD2 LD3 LD4 LD5: library part LD_LEDgn_bright_03, "Leuchtdiode bright grün 0603, RV(5mA)@3V3= 100OHM"
PM1 PM2 PM3 PM4 PM5 PM6: library part A_PMR, "Passer Markierung rund"
Q3: library part Q25.0006MHz_CM3225, "Quarz 25.0006MHz; CM3225"
QO4: library part QO24.576MHz_V96, "Quarz Oszillator 24.576MHz; KXO-V96"
R12 R71 R72 R73 R74: library part R820R_02, "Resistor 0402"
R19 R20 R46 R47 R48 R49 R50 R51 R96 R137 R140 R142 R149 R159 R160 R161: library part R0R_02, "Resistor 0402"
R21 R167: library part R33R_02, "Resistor 0402"
R23 R24 R25: library part R4k75_02, "Resistor 0402"
R45: library part R22R_02, "Resistor 0402"
R52 R53 R115 R116 R117 R118 R135 R145 R146 R147 R148 R150 R151 R152 R153 R154 R155 R157 R158: library part R10k_02, "Resistor 0402"
R75 R125 R126 R127 R128 R129 R131 R133 R134 R138 R139: library part R100R_02, "Resistor 0402 1%"
R76 R77 R78 R79 R165: library part R100k_02, "Resistor 0402"
R112 R113 R114 R119: library part R1k5_02, "Resistor 0402 1/16W 1%"
R120 R121 R122 R123: library part R49R9_02, "Resistor 0402"
R124 R143: library part R10R_02, "Resistor 0402"
R130 R132: library part R1k2_03_1%, "Resistor 0603; 1% 1/16W"
R136: library part R0.1R, "Resistor 1206; 1% 1/4W;"
R141: library part R1M_02, "Resistor 0402"
R144: library part R12k1_02, "Resistor 0402; 1%"
R163: library part R0.02R_05, "Resistor Bauform 0805; 5% 1/4W;"
R166: library part R26k7_02, "Resistor 0402"
RT1: library part RTFUSE0.1A/30V, "resettable Fuse MF_MSMF 30V, 0,2A bei 23°C"
T1 T2: library part TDDC114YU, "2 fach NPN m Widerständen Vceo=40V, Ic=0.1A"
TA1 TA2 TA3: library part TASTER_C&K_KMR231, "Taster smd 1pol mm pitch, 4.6x2.8mm case"
TP1 TP5 TP6 TP7 TP8 TP10 TP11 TP12 TP13 TP14 TP15 TP16 TP17 TP18 TP19 TP20 TP21 TP22 TP23: library part "TP1.6 mit Bohrung 0.8", "Testpunkt rund mit Bohrung D=0.8mm"
XB3: library part XBUSB_R_WE, "USB einfach RA Type A"
XB4: library part XBUSB_Mini-B, "USB MINI Typ B einfach 5pol."
XB5: library part XBRJ45-J00-0065_ML, "Buchse RJ45 mit Übertrager und LEDS"
XB6: library part "XBU_Micro-HDMI_Buchse_Type D", "micro HDMI Buchse SMT Type D"
XB8 XB9: library part XB2X23_THT, "Buchsenleiste 46pol. IDC, vertikal 2.54mm pitch"
XB10: library part XBMICRO_SD_ALPS_R, "MICRO SD Memory card connector push/push  reverse mount ALPS (SCHA5B0200)"
XS1: library part XST1X2_PJ_WA, "DC-Power-Jack, 2mm Stift, 5A, THT,gew."
XS2: library part XST2X10_1.27MM_SMD_SAM, "Stiftleiste 20polig, 1.27mm pitch, Samtec"
XS11: library part XST1X6, "Modul-Stiftleiste 2.54mm pitch einreihig, 6pol."

## Via types
v1: diameter 0.5, hole 0.3, TOP to BOTTOM, tented both sides, 368 vias
v2: diameter 0.5, hole 0.3, TOP to BOTTOM, 128 vias
v3: diameter 0.559, hole 0.305, TOP to BOTTOM, tented both sides, 4 vias
v4: diameter 0.66, hole 0.33, TOP to BOTTOM, tented top, 4 vias

## Nets (pads, with @x,y where several pads share a name; then routed paths per layer and width w, separated by ;. In a path a pad name is that pad's centre, name@x,y a point inside that pad or via, vN(x,y) a via of type N, cw(c..) or ccw(c..) an arc to the next point about the centre after c; other vN are vias at no path point)
12M_LOOP: IC6.2 IC6.3 | length 3
  BOTTOM w0.2: IC6.2@42.817,11.05 41.75,11.05 41.713,11.05 41.509,11.254 41.509,11.459 41.75,11.7 IC6.3@42.817,11.7
12MHZ: IC11.27 R21.2 | length 22.9
  LAYER 3 w0.16: v2(52.325,20.825) 52.515,20.635 58.01,20.635 58.8,21.425 58.8,22.8 59.675,23.675 59.675,25.275 60.333,25.933 60.385,25.933 v1(60.403,25.951)
  BOTTOM w0.16: R21.2@49.6,13.425 49.275,13.75 49.275,14.338 49.175,14.438 49.175,16.725 52.325,19.875 v2(52.325,20.825) ; v1(60.403,25.951) 60.403,26.503 60.85,26.95 IC11.27@61.55,26.95
AIN0: BG1.59 XB9.39 | length 13.6
  TOP w0.2: BG1.59@64.05,13.45 v2(64.85,13.45)
  LAYER 6 w0.16: v2(64.85,13.45) 64.85,13 65.775,12.075 65.775,5.853 66.675,4.953 66.675,3.175 XB9.39@67.945,1.905
AIN1: BG1.84 XB9.40 | length 12.5
  TOP w0.2: BG1.84@64.05,15.25 64.05,15 64.825,14.225 v2(64.925,14.225)
  LAYER 6 w0.16: v2(64.925,14.225) 65.36,13.79 65.36,12.943 66.15,12.153 66.15,6.24 XB9.40@67.945,4.445
AIN2: BG1.58 XB9.37 | length 12.7
  TOP w0.16: BG1.58@62.55,13 62.55,12.725 63.203,12.072 v2(63.203,11.976)
  LAYER 6 w0.16: v2(63.203,11.976) 62.75,11.522 62.75,9.15 64.2,7.7 64.2,3.11 XB9.37@65.405,1.905
AIN3: BG1.83 XB9.38 | length 12.4
  TOP w0.16: BG1.83@62.55,15.25 62.75,15.05 62.75,14.35 62.924,14.176 v2(63.178,14.176)
  LAYER 6 w0.16: v2(63.178,14.176) 63.175,14.173 63.202,14.173 65.45,11.925 65.45,5.725 65.5,5.675 65.5,4.35 XB9.38@65.405,4.445
AIN4: BG1.57 XB9.33 | length 12
  TOP w0.16: BG1.57@60.975,12.925 BG1.57@61.05,13 ; v2(61.375,11.925) BG1.57@61.375,13.125
  LAYER 6 w0.16: XB9.33@60.325,1.905 61.675,3.255 61.675,10.73 61.718,10.773 61.718,11.582 v2(61.375,11.925)
AIN5: BG1.82 XB9.36 | length 12
  TOP w0.121: XB9.36@62.43,4.445 XB9.36@62.865,4.445
  TOP w0.16: BG1.82@61.05,15.25 61.05,14.975 61.725,14.3 v2(61.725,14.175)
  LAYER 6 w0.16: v2(61.725,14.175) 61.725,14.2 62.35,13.575 62.35,8.95 62.865,8.435 XB9.36@62.865,4.445
AIN6: BG1.56 XB9.35 | length 13.5
  TOP w0.16: BG1.56@59.55,13 59.55,12.725 60.2,12.075 60.2,11.875 61.1,10.975 v2@61.1,10.95
  BOTTOM w0.16: v2(61.228,10.976) 61.126,10.976 61.125,9.475 63.925,6.675 63.925,2.965 XB9.35@62.865,1.905
B_UART0_RX: IC15.2 R165.2 XS11.4 | length 6.3
  BOTTOM w0.16: XS11.4@50.165,7.62 50.1,7.685 R165.2@50.1,9.5 51.3,9.5 52.175,10.375 52.175,11.175 52.019,11.331 IC15.2@51.105,11.331
B_UART0_TX: IC15.3 XS11.5 | length 5.6
  BOTTOM w0.16: IC15.3@51.105,11.981 52.019,11.981 52.575,11.425 52.575,11.418 52.56,11.403 52.56,8.781 52.705,8.636 XS11.5@52.705,7.62
BAT1: BG1.60 TP5.1 | length 16.8
  TOP w0.2: TP5.1@14.732,10.668 15.9,9.5 17.8,9.5 20.165,11.865 25.09,11.865 26.76,13.535 26.76,14.61 27.4,15.25 BG1.60@28.05,15.25
  LAYER 3 w0.381: TP5.1@14.732,10.668 TP5.1@14.743,10.668
BAT_SENSE: BG1.61 TP6.1 | length 20.8
  TOP w0.2: TP6.1@14.732,8.128 15.985,6.875 18.125,6.875 18.575,7.325 18.575,9.766 20.314,11.505 25.366,11.505 27.12,13.259 27.12,13.87 27.35,14.1 28.7,14.1 29.55,14.95 BG1.61@29.55,15.25
BAT_TS: BG1.62 TP7.1 | length 19.1
  TOP w0.2: TP7.1@17.272,10.668 18.829,12.225 24.8,12.225 26.4,13.825 26.4,15.55 27.95,17.1 30.7,17.1 31.05,16.75 BG1.62@31.05,15.25
BKL_FB_WLED: BG1.16 TP13.1 | length 4.8
  TOP w0.3: TP13.1@20.325,13.575 20.325,14.975 21.85,16.5 BG1.16@23.05,16.5
BKL_ISET1: BG1.14 TP11.1 | length 3.2
  TOP w0.2: TP11.1@20.4,18.25 20.625,18.25 21.875,19.5 BG1.14@23.05,19.5
BKL_ISET2: BG1.13 TP10.1 | length 2.4
  TOP w0.2: TP10.1@20.887,21.612 21.5,21 BG1.13@23.05,21
BKL_ISINK1: BG1.31 TP15.1 | length 9.2
  TOP w0.2: BG1.31@25.3,19.5 v1(26.375,19.5)
  LAYER 3 w0.2: TP15.1@18.375,19.225 18.475,19.325 23.375,19.325 23.55,19.5 v1(26.375,19.5)
BKL_ISINK2: BG1.30 TP14.1 | length 9.1
  TOP w0.2: BG1.30@25.3,21 v1(26.4,21)
  LAYER 3 w0.2: TP14.1@19.65,23.9 20.3,23.25 22.375,23.25 24.625,21 v1(26.4,21)
BKL_L4: BG1.15 TP12.1 | length 4.3
  TOP w0.3: TP12.1@19.587,15.937 19.8,16.15 20.375,16.15 22,17.775 22.825,17.775 BG1.15@23.05,18
CLKOUT2: R19.2 R20.1 XB9.41 XS2.18 | length 48.6
  LAYER 3 w0.16: v2(43.2,17.2) 43.35,17.35 50.182,17.35 50.247,17.285 57.264,17.285 62.4,12.149 62.4,9.228 65.151,6.477 69.977,6.477 70.61,5.844 70.61,5.822 70.897,5.535 70.919,5.535 71.628,4.826 71.628,3.048 XB9.41@70.485,1.905
  BOTTOM w0.16: XS2.18@38.037,17.462 39.562,17.462 40.725,16.3 40.725,16 40.925,15.8 41.825,15.8 43.208,17.183 43.208,17.567 42.545,18.23 42.545,19.177 R19.2@41.593,19.177
CLKOUT_SRC: BG1.76 R19.1 | length 16.5
  TOP w0.3: BG1.76@52.05,15.25 v1(52.05,16.475)
  LAYER 3 w0.16: v2(41.593,20.875) 42.803,20.875 42.834,20.906 43.77,20.906 43.801,20.875 51.55,20.875 v2(51.575,20.85)
  LAYER 6 w0.16: v2(51.575,20.85) 52.05,20.375 v1(52.05,16.475)
  BOTTOM w0.16: R19.1@41.593,20.193 v2(41.593,20.875)
CRS: IC14.14 R139.2 | length 2.9
  BOTTOM w0.16: IC14.14@35.69,28.199 36.44,28.199 v1@36.541,28.3 ; v1(36.602,28.351) 36.592,28.351 v1@36.541,28.3 ; R139.2@38.065,27.362 37.927,27.5 37.341,27.5 v1@36.541,28.3